# KiCad board dilemma.kicad_pcb
title: dilemma; rev: 2; company: bastardkb
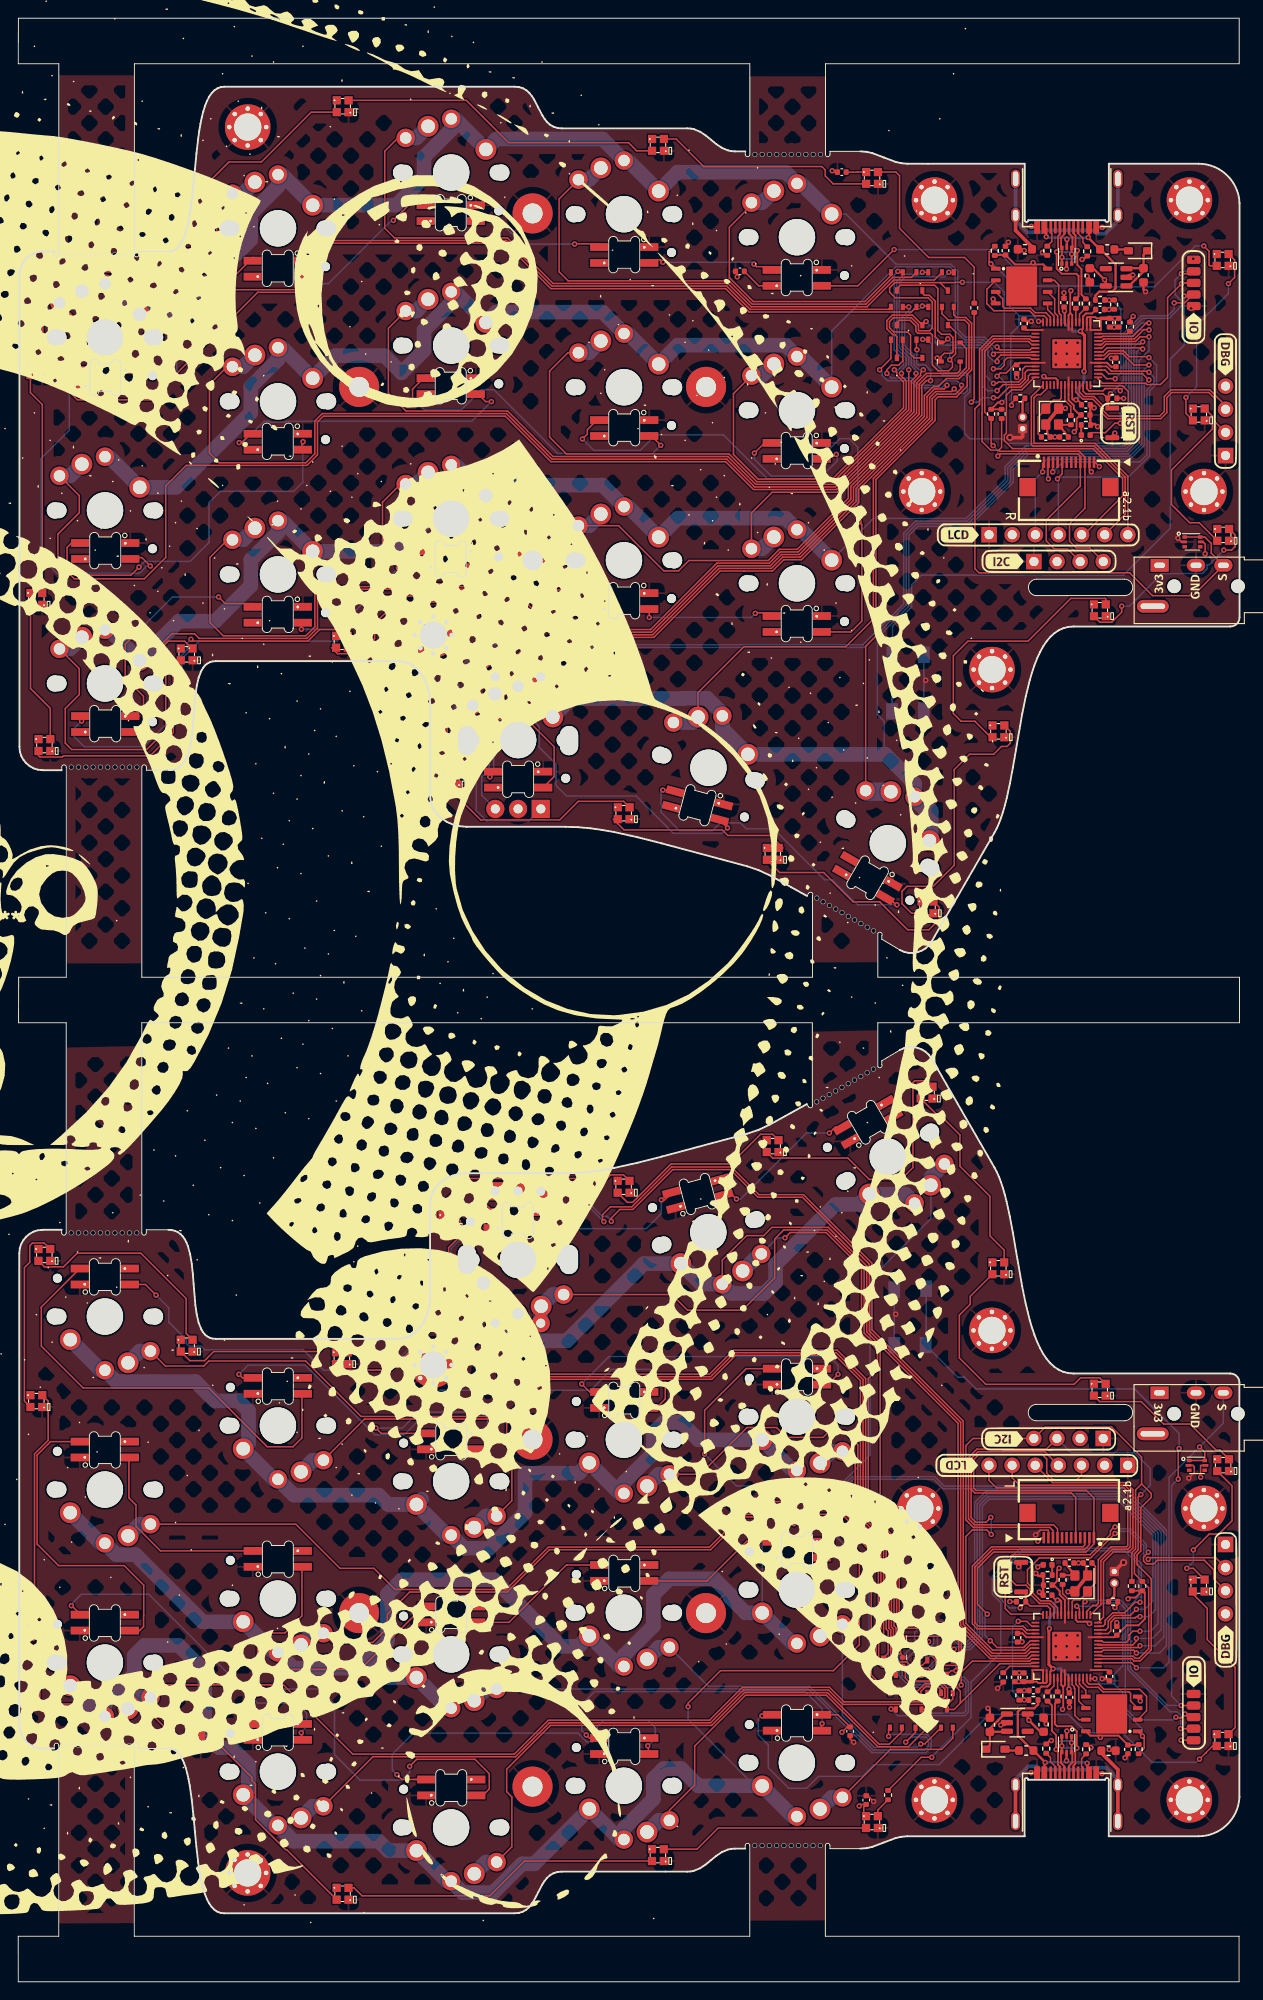
[diagram p0: board, top side]
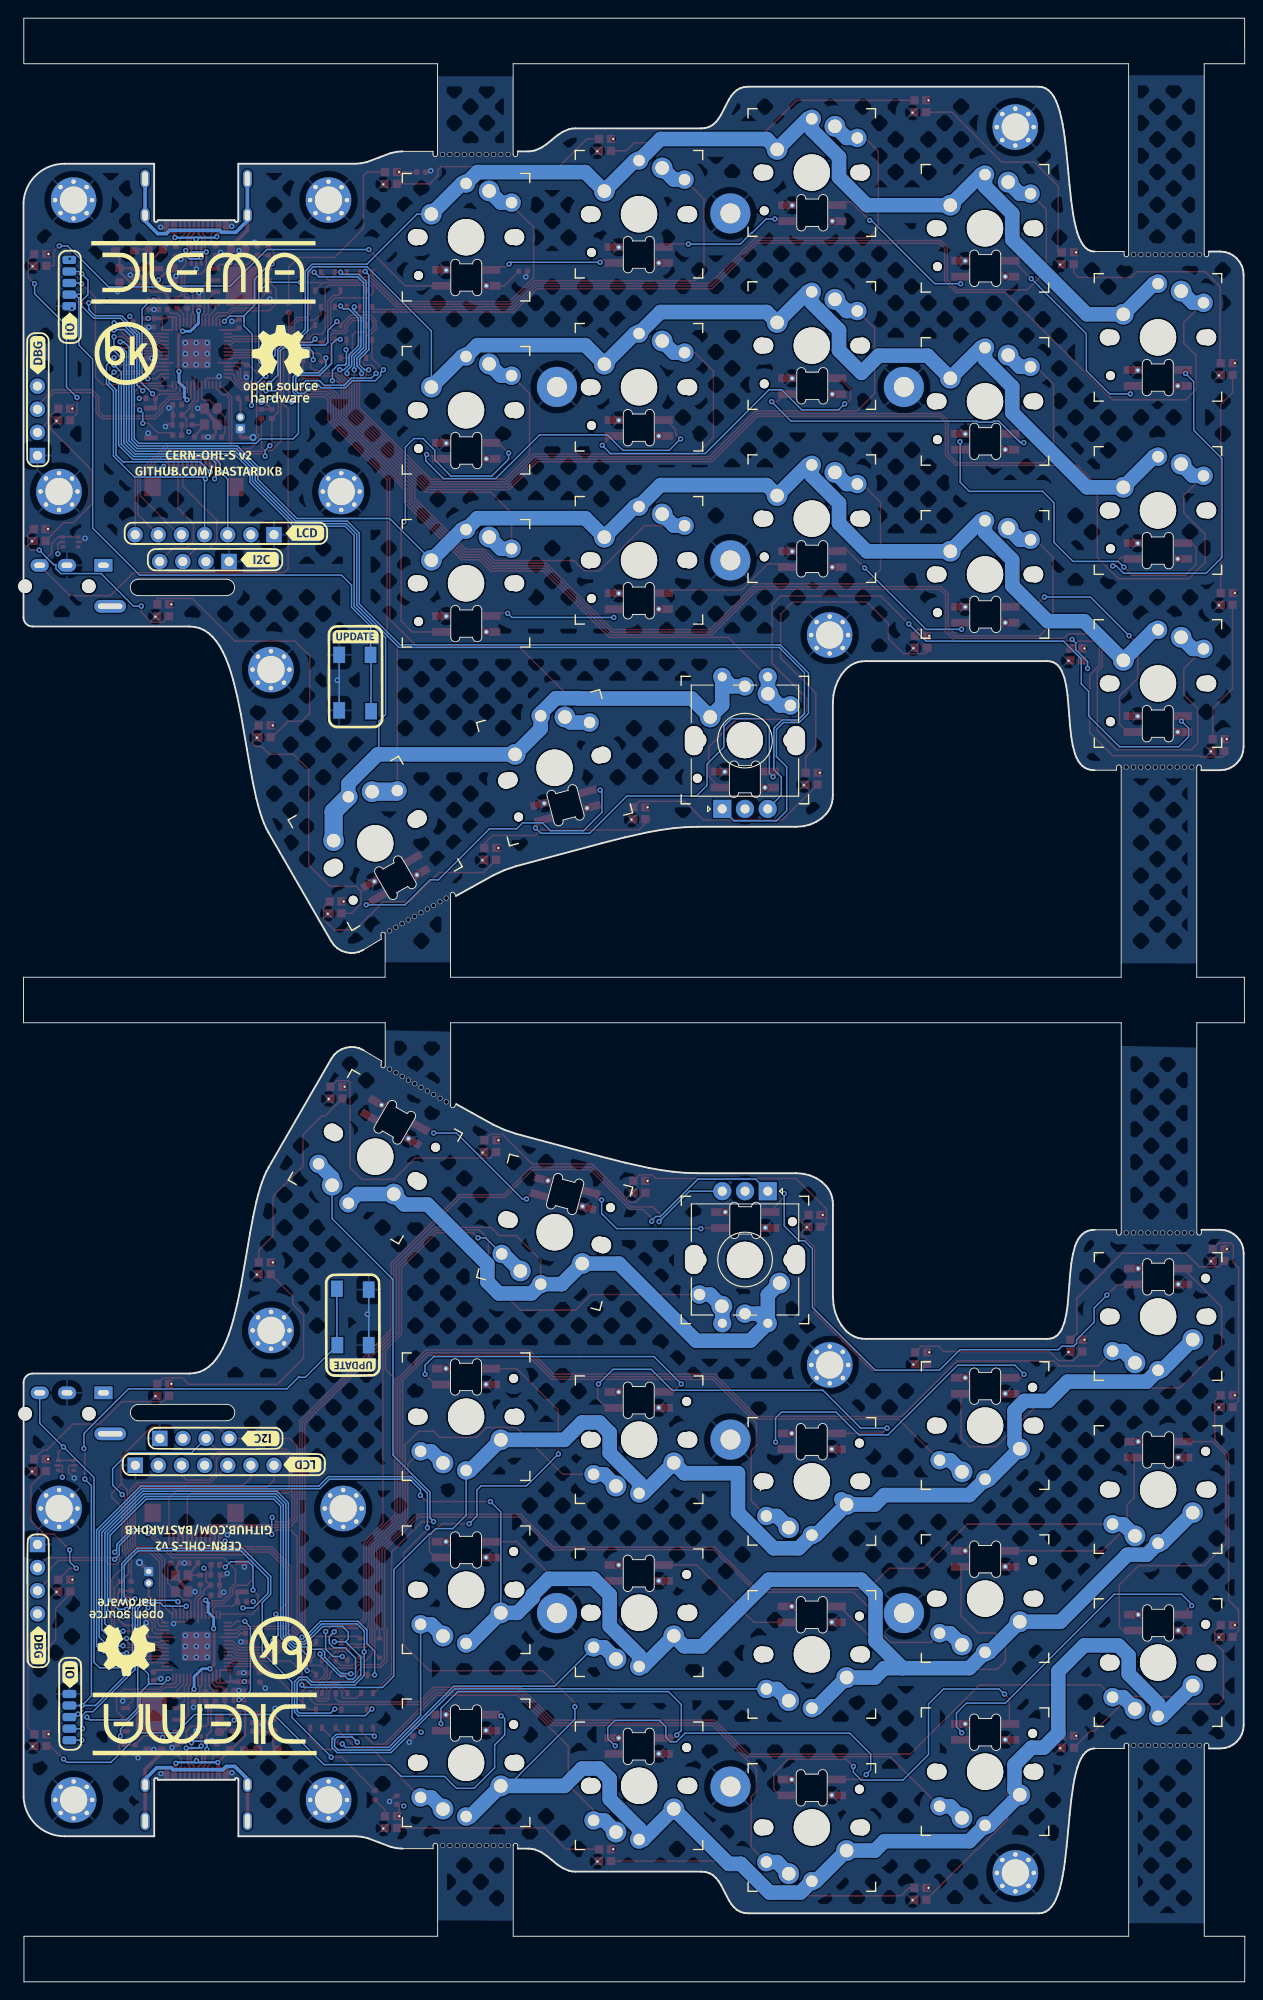
[diagram p1: board, bottom side, seen from below]

Outline 134.14 x 215.6 mm; copper layers: Top, In1.Cu, In2.Cu, Bottom. Coordinates in mm from the lower left corner of the outline.
Outline path: circle c5,25.95 r0.25 ; circle c5.01,189.64 r0.25 ; circle c5.8,25.95 r0.25 ; circle c5.81,189.64 r0.25 ; circle c5.82,82.23 r0.25 ; circle c5.83,133.37 r0.25 ; circle c6.6,25.95 r0.25 ; circle c6.61,189.64 r0.25 ; circle c6.62,82.23 r0.25 ; circle c6.63,133.37 r0.25 ; circle c7.4,25.95 r0.25 ; circle c7.41,189.64 r0.25 ; circle c7.42,82.23 r0.25 ; circle c7.43,133.37 r0.25 ; circle c8.2,25.95 r0.25 ; circle c8.21,189.64 r0.25 ; circle c8.22,82.23 r0.25 ; circle c8.23,133.37 r0.25 ; circle c9,25.95 r0.25 ; circle c9.01,189.64 r0.25 ; circle c9.02,82.23 r0.25 ; circle c9.03,133.37 r0.25 ; circle c9.8,25.95 r0.25 ; circle c9.81,189.64 r0.25 ; circle c9.82,82.23 r0.25 ; circle c9.83,133.37 r0.25 ; circle c10.6,25.95 r0.25 ; circle c10.61,189.64 r0.25 ; circle c10.62,82.23 r0.25 ; circle c10.63,133.37 r0.25 ; circle c11.4,25.95 r0.25 ; circle c11.41,189.64 r0.25 ; circle c11.42,82.23 r0.25 ; circle c11.43,133.37 r0.25 ; circle c12.2,25.95 r0.25 ; circle c12.21,189.64 r0.25 ; circle c12.22,82.23 r0.25 ; circle c12.23,133.37 r0.25 ; circle c13.02,82.23 r0.25 ; circle c13.03,133.37 r0.25 ; circle c80.9,14.95 r0.25 ; circle c80.91,200.64 r0.25 ; circle c81.7,14.95 r0.25 ; circle c81.71,200.64 r0.25 ; circle c82.5,14.95 r0.25 ; circle c82.51,200.64 r0.25 ; circle c83.3,14.95 r0.25 ; circle c83.31,200.64 r0.25 ; circle c84.1,14.95 r0.25 ; circle c84.11,200.64 r0.25 ; circle c84.9,14.95 r0.25 ; circle c84.91,200.64 r0.25 ; circle c85.7,14.95 r0.25 ; circle c85.71,200.64 r0.25 ; circle c86.5,14.95 r0.25 ; circle c86.51,200.64 r0.25 ; circle c87.3,14.95 r0.25 ; circle c87.31,200.64 r0.25 ; circle c87.7,96.61 r0.25 ; circle c87.71,118.99 r0.25 ; circle c88.1,14.95 r0.25 ; circle c88.11,200.64 r0.25 ; circle c88.39,97.01 r0.25 ; circle c88.4,118.59 r0.25 ; circle c89.08,97.41 r0.25 ; circle c89.09,118.19 r0.25 ; circle c89.78,97.81 r0.25 ; circle c89.79,117.79 r0.25 ; circle c90.47,98.21 r0.25 ; circle c90.48,117.39 r0.25 ; circle c91.16,98.61 r0.25 ; circle c91.17,116.99 r0.25 ; circle c91.86,99.01 r0.25 ; circle c91.87,116.59 r0.25 ; circle c92.55,99.41 r0.25 ; circle c92.56,116.19 r0.25 ; circle c93.24,99.81 r0.25 ; circle c93.25,115.79 r0.25 ; circle c93.93,100.21 r0.25 ; circle c93.94,115.39 r0.25 ; 0,5 4.45,5 4.45,25.95 arc(4.2,26.2) 3.95,25.95 3.95,25.62 2.69,25.62 2.16,25.67 1.68,25.82 1.25,26.06 0.88,26.37 0.56,26.75 0.33,27.18 0.17,27.66 0.12,28.19 0.12,79.99 0.17,80.53 0.33,81.01 0.56,81.44 0.88,81.81 1.25,82.12 1.68,82.36 2.16,82.51 2.69,82.57 4.77,82.57 4.77,82.23 arc(5.02,81.98) 5.27,82.23 5.27,105.3 0.04,105.3 0.05,110.3 5.28,110.3 5.28,133.37 arc(5.03,133.62) 4.78,133.37 4.78,133.03 2.7,133.03 2.17,133.08 1.69,133.24 1.26,133.48 0.89,133.79 0.57,134.16 0.34,134.59 0.18,135.07 0.13,135.61 0.13,187.41 0.18,187.94 0.34,188.42 0.57,188.85 0.89,189.22 1.26,189.54 1.69,189.78 2.17,189.93 2.7,189.98 3.96,189.98 3.96,189.64 arc(4.21,189.39) 4.46,189.64 4.46,210.6 0.01,210.6 0.02,215.6 134.1,215.6 134.1,210.6 88.66,210.6 88.66,200.64 arc(88.91,200.39) 89.16,200.64 89.16,200.98 92.5,200.98 93.18,200.93 93.83,200.78 96.36,199.82 97.02,199.67 97.69,199.62 110.55,199.62 110.55,193.42 arc(110.75,193.22) 110.95,193.42 119.39,193.42 arc(119.59,193.22) 119.79,193.42 119.79,199.62 129.64,199.62 arc(132.76,198.37) 134.14,195.31 134.14,149.81 arc(133.85,149.1) 133.14,148.81 115.94,148.81 115.35,148.76 114.8,148.63 114.29,148.4 113.81,148.08 113.37,147.68 112.96,147.2 112.58,146.64 112.24,146.01 111.92,145.32 111.62,144.57 111.35,143.77 111.1,142.92 110.66,141.11 110.27,139.2 109.59,135.29 109.26,133.39 108.93,131.59 108.57,129.94 108.37,129.18 108.17,128.47 107.95,127.81 107.73,127.21 107.49,126.67 107.24,126.19 100.34,114.24 100.02,113.81 99.65,113.47 99.23,113.21 98.77,113.05 98.29,112.96 97.8,112.97 97.31,113.08 96.82,113.3 94.85,114.48 94.85,114.86 arc(94.76,115.21) 94.42,115.11 94.42,110.3 134.14,110.3 134.13,105.3 94.41,105.3 94.41,100.48 arc(94.75,100.39) 94.84,100.73 94.84,101.12 96.81,102.3 97.3,102.52 97.79,102.63 98.28,102.64 98.76,102.55 99.22,102.38 99.64,102.13 100.01,101.79 100.33,101.36 107.23,89.4 107.48,88.93 107.72,88.39 107.94,87.79 108.16,87.13 108.36,86.42 108.56,85.66 108.92,84.01 109.25,82.21 109.58,80.31 110.26,76.4 110.65,74.49 111.09,72.68 111.34,71.83 111.61,71.03 111.91,70.28 112.23,69.59 112.57,68.96 112.95,68.4 113.36,67.92 113.8,67.52 114.28,67.2 114.79,66.97 115.34,66.83 115.93,66.79 133.13,66.79 arc(133.84,66.49) 134.13,65.79 134.13,20.29 arc(132.75,17.23) 129.63,15.98 119.78,15.98 119.78,22.18 arc(119.58,22.38) 119.38,22.18 110.94,22.18 arc(110.74,22.38) 110.54,22.18 110.54,15.98 97.68,15.98 97.01,15.92 96.35,15.77 93.82,14.82 93.17,14.67 92.49,14.62 89.15,14.62 89.15,14.95 arc(88.9,15.2) 88.65,14.95 88.65,5 134.09,5 134.09,0 0.01,0 0,5 ; 12.75,25.95 arc(13,26.2) 13.25,25.95 13.25,25.62 16.49,25.62 16.85,25.57 17.18,25.44 17.48,25.22 17.74,24.91 17.98,24.52 18.2,24.06 18.39,23.52 18.56,22.92 18.71,22.26 18.84,21.55 19.06,19.99 19.24,18.31 19.4,16.57 19.57,14.83 19.76,13.15 19.88,12.35 20.01,11.59 20.15,10.88 20.32,10.22 20.51,9.61 20.72,9.08 20.96,8.61 21.23,8.23 21.53,7.92 21.87,7.7 22.23,7.56 22.63,7.52 54.52,7.52 55.01,7.56 55.43,7.7 55.8,7.91 56.13,8.2 56.41,8.55 56.66,8.94 57.56,10.67 57.81,11.06 58.09,11.41 58.41,11.7 58.78,11.91 59.21,12.05 59.69,12.09 73.49,12.09 73.87,12.12 74.23,12.19 74.9,12.47 75.51,12.88 76.68,13.83 77.29,14.24 77.96,14.52 78.32,14.59 78.69,14.62 79.85,14.62 79.85,14.95 arc(80.1,15.2) 80.35,14.95 80.35,5 12.75,5 12.75,25.95 ; 12.76,189.64 12.76,210.6 80.36,210.6 80.36,200.64 arc(80.11,200.39) 79.86,200.64 79.86,200.98 78.7,200.98 78.33,201.01 77.97,201.08 77.3,201.36 76.69,201.77 75.52,202.72 74.91,203.13 74.24,203.41 73.88,203.48 73.5,203.51 59.7,203.51 59.22,203.55 58.79,203.69 58.42,203.9 58.1,204.19 57.82,204.54 57.57,204.93 56.67,206.66 56.42,207.05 56.14,207.4 55.81,207.69 55.44,207.9 55.02,208.04 54.53,208.08 22.64,208.08 22.24,208.04 21.88,207.9 21.54,207.68 21.24,207.37 20.97,206.98 20.73,206.52 20.52,205.98 20.33,205.38 20.16,204.72 20.02,204.01 19.89,203.25 19.77,202.45 19.58,200.77 19.41,199.03 19.25,197.29 19.07,195.61 18.85,194.05 18.72,193.34 18.57,192.68 18.4,192.08 18.21,191.54 17.99,191.08 17.75,190.69 17.49,190.38 17.19,190.16 16.86,190.03 16.5,189.98 13.26,189.98 13.26,189.64 arc(13.01,189.39) 12.76,189.64 ; 13.57,105.3 13.57,82.23 arc(13.82,81.98) 14.07,82.23 14.07,82.57 16.49,82.57 16.88,82.54 17.23,82.45 17.55,82.3 17.83,82.1 18.07,81.84 18.29,81.53 18.48,81.18 18.64,80.78 18.89,79.87 19.06,78.84 19.18,77.73 19.27,76.58 19.46,74.32 19.61,73.29 19.82,72.38 20.12,71.63 20.3,71.32 20.52,71.06 20.77,70.86 21.04,70.71 21.35,70.62 21.69,70.59 41.63,70.59 42.07,70.62 42.47,70.7 42.85,70.83 43.19,71 43.51,71.22 43.8,71.47 44.29,72.07 44.69,72.77 44.99,73.53 45.17,74.33 45.23,75.16 45.23,85.31 45.26,85.73 45.32,86.11 45.43,86.46 45.58,86.79 45.76,87.09 45.97,87.37 46.48,87.85 47.07,88.24 47.74,88.54 48.47,88.72 49.26,88.78 60.13,88.78 61.47,88.82 62.81,88.94 64.13,89.13 65.45,89.36 68.06,89.94 70.66,90.6 80.05,93.12 81.31,93.55 82.52,94.11 84.86,95.4 86.62,96.38 86.79,96.08 arc(87.13,95.99) 87.22,96.33 87.22,105.3 13.57,105.3 ; 13.58,133.37 13.58,110.3 87.23,110.3 87.23,119.26 arc(87.14,119.61) 86.8,119.51 86.63,119.22 84.87,120.2 82.53,121.49 81.32,122.05 80.06,122.48 70.67,125 68.07,125.66 65.46,126.24 64.14,126.47 62.82,126.66 61.48,126.77 60.14,126.82 49.27,126.82 48.48,126.88 47.75,127.06 47.08,127.35 46.49,127.75 45.98,128.23 45.77,128.51 45.59,128.81 45.44,129.14 45.33,129.49 45.27,129.87 45.24,130.28 45.24,140.44 45.18,141.27 45,142.07 44.7,142.83 44.3,143.52 43.81,144.12 43.52,144.38 43.2,144.59 42.86,144.77 42.48,144.9 42.08,144.98 41.64,145.01 21.7,145.01 21.36,144.98 21.05,144.89 20.78,144.74 20.53,144.54 20.31,144.28 20.13,143.97 19.83,143.22 19.62,142.31 19.47,141.28 19.28,139.02 19.19,137.87 19.07,136.75 18.9,135.73 18.65,134.82 18.49,134.42 18.3,134.06 18.08,133.76 17.84,133.5 17.56,133.3 17.24,133.15 16.89,133.06 16.5,133.03 14.08,133.03 14.08,133.37 arc(13.83,133.62) 13.58,133.37 ; 111.84,61.6 arc(110.94,62.5) 111.84,63.4 121.5,63.4 arc(122.4,62.5) 121.5,61.6 111.84,61.6 ; 111.86,154 121.51,154 arc(122.41,153.1) 121.51,152.2 111.86,152.2 arc(110.96,153.1) 111.86,154
Stack: Top 0.035mm / dielectric 1.11mm FR4 er 4.5 / In1.Cu 0.035mm / dielectric 1.51mm FR4 er 4.5 / In2.Cu 0.035mm / dielectric 1.51mm FR4 er 4.5 / Bottom 0.035mm

## Placement (name value [footprint] x y rotation side)
C1  1µ  [C_0603_1608Metric]  123.6 187.38 270 top
C2  1µ  [C_0603_1608Metric]  117.7 187.37 270 top
C3  15p  [C_0402_1005Metric]  112.86 169.62 0 top
C4  15p  [C_0402_1005Metric]  114.86 169.62 180 top
C5  1µ  [C_0402_1005Metric]  120.86 182.17 270 top
C6  1µ  [C_0402_1005Metric]  118.81 183.62 0 top
C7  100n  [C_0402_1005Metric]  114.86 184.37 90 top
C8  100n  [C_0402_1005Metric]  117.26 173.15 0 top
C9  100n  [C_0402_1005Metric]  109.66 177.07 270 top
C10  100n  [C_0402_1005Metric]  108.44 190.08 90 top
C11  100n  [C_0402_1005Metric]  119.86 182.17 270 top
C12  100n  [C_0402_1005Metric]  110.46 182.07 90 top
C13  100n  [C_0402_1005Metric]  120.56 177.82 90 top
C14  100n  [C_0402_1005Metric]  117.24 172.04 0 top
C5001  1µ  [C_0603_1608Metric]  106.72 28.22 90 top
C5002  1µ  [C_0603_1608Metric]  112.62 28.23 90 top
C5003  1µ  [C_0402_1005Metric]  109.46 33.43 90 top
C5004  1µ  [C_0402_1005Metric]  111.51 31.98 180 top
C5005  15p  [C_0402_1005Metric]  117.46 45.98 180 top
C5006  100n  [C_0402_1005Metric]  115.46 31.23 270 top
C5007  100n  [C_0402_1005Metric]  113.06 42.44 180 top
C5008  15p  [C_0402_1005Metric]  115.46 45.98 0 top
C5009  100n  [C_0402_1005Metric]  120.66 38.53 90 top
C5010  100n  [C_0402_1005Metric]  121.88 25.52 270 top
C5011  100n  [C_0402_1005Metric]  110.46 33.43 90 top
C5012  100n  [C_0402_1005Metric]  119.86 33.53 270 top
C5013  100n  [C_0402_1005Metric]  109.76 37.78 270 top
C5014  100n  [C_0402_1005Metric]  113.08 43.56 180 top
C5015  1µ  [C_0402_1005Metric]  90.46 198.7 180 top
C5016  1µ  [C_0402_1005Metric]  93.14 19.95 90 top
C5017  1µ  [C_0402_1005Metric]  79.27 187.8 180 top
C5018  1µ  [C_0402_1005Metric]  91.37 27.5 270 top
D1  LED  [LED_0402_1005Metric]  117.26 169.82 0 top
D2  B5817  [D_SOD-323]  122.99 190.06 180 top
D3  SK6805-EC15  [LED_SK6805-EC15_1.5x1.5mm_P0.6mm_handsolder(1)]  93.78 198.06 180 top
D4  SK6805-EC15  [LED_SK6805-EC15_1.5x1.5mm_P0.6mm_handsolder(1)]  35.56 147.13 180 top
D5  SK6805-EC15  [LED_SK6805-EC15_1.5x1.5mm_P0.6mm_handsolder(1)]  132.29 189.06 180 top
D7  SK6805-EC15  [LED_SK6805-EC15_1.5x1.5mm_P0.6mm_handsolder(1)]  70.27 201.69 180 top
D8  SK6805-EC15  [LED_SK6805-EC15_1.5x1.5mm_P0.6mm_handsolder(1)]  47.57 132.1 180 top
D9  SK6805-EC15  [LED_SK6805-EC15_1.5x1.5mm_P0.6mm_handsolder(1)]  82.87 123.85 180 top
D11  SK6805-EC15  [LED_SK6805-EC15_1.5x1.5mm_P0.6mm_handsolder(1)]  35.64 205.93 180 top
D12  SK6805-EC15  [LED_SK6805-EC15_1.5x1.5mm_P0.6mm_handsolder(1)]  66.5 128.31 180 top
D15  SK6805-EC15  [LED_SK6805-EC15_1.5x1.5mm_P0.6mm_handsolder(1)]  19.43 189.24 180 top
D16  SK6805-EC15  [LED_SK6805-EC15_1.5x1.5mm_P0.6mm_handsolder(1)]  99.87 117.97 180 top
D18  SK6805-EC15  [LED_SK6805-EC15_1.5x1.5mm_P0.6mm_handsolder(1)]  1.99 177.08 180 top
D19  SK6805-EC15  [LED_SK6805-EC15_1.5x1.5mm_P0.6mm_handsolder(1)]  107.66 137.3 180 top
D21  SK6805-EC15  [LED_SK6805-EC15_1.5x1.5mm_P0.6mm_handsolder(1)]  1.99 151.84 180 top
D22  SK6805-EC15  [LED_SK6805-EC15_1.5x1.5mm_P0.6mm_handsolder(1)]  118.8 150.59 180 top
D24  SK6805-EC15  [LED_SK6805-EC15_1.5x1.5mm_P0.6mm_handsolder(1)]  2.88 135.79 180 top
D25  SK6805-EC15  [LED_SK6805-EC15_1.5x1.5mm_P0.6mm_handsolder(1)]  132.35 158.87 180 top
D27  SK6805-EC15  [LED_SK6805-EC15_1.5x1.5mm_P0.6mm_handsolder(1)]  18.51 145.75 180 top
D28  SK6805-EC15  [LED_SK6805-EC15_1.5x1.5mm_P0.6mm_handsolder(1)]  129.67 172.09 180 top
D30  D_CC  [SOT-323_SC-70]  99.31 182.9 270 top
D31  D_CC  [SOT-323_SC-70]  96.51 182.9 270 top
D32  D_CC  [SOT-323_SC-70]  102.11 186.7 270 top
D33  D_CC  [SOT-323_SC-70]  99.3 186.71 270 top
D34  D_CC  [SOT-323_SC-70]  96.51 186.7 270 top
D35  D_CC  [SOT-323_SC-70]  96.51 179.3 270 top
D36  D_CC  [SOT-323_SC-70]  102.11 182.9 270 top
D37  D_CC  [SOT-323_SC-70]  99.31 179.3 270 top
D112  D  [D_SOD-323#2]  102.41 180 0 top
D115  D  [D_SOD-323#2]  102.41 177.9 0 top
D5001  LED  [LED_0402_1005Metric]  113.06 45.78 180 top
D5002  D_CC  [SOT-323_SC-70]  99.2 32.7 90 top
D5003  D_CC  [SOT-323_SC-70]  102 36.3 90 top
D5004  B5817  [D_SOD-323]  107.33 25.54 0 top
D5005  D_CC  [SOT-323_SC-70]  102 32.7 90 top
D5006  D_CC  [SOT-323_SC-70]  96.4 32.7 90 top
D5007  D_CC  [SOT-323_SC-70]  96.4 28.9 90 top
D5008  D_CC  [SOT-323_SC-70]  99.2 36.3 90 top
D5009  D  [D_SOD-323#2]  96.1 35.6 180 top
D5010  D_CC  [SOT-323_SC-70]  99.2 28.89 90 top
D5011  D  [D_SOD-323#2]  96.1 37.7 180 top
D5012  D_CC  [SOT-323_SC-70]  102 28.9 90 top
D5013  SK6805-EC15  [LED_SK6805-EC15_1.5x1.5mm_P0.6mm_handsolder(1)]  93.77 17.54 180 top
D5014  SK6805-EC15  [LED_SK6805-EC15_1.5x1.5mm_P0.6mm_handsolder(1)]  35.55 68.47 180 top
D5015  SK6805-EC15  [LED_SK6805-EC15_1.5x1.5mm_P0.6mm_handsolder(1)]  132.28 26.54 180 top
D5016  SK6805-EC15  [LED_SK6805-EC15_1.5x1.5mm_P0.6mm_handsolder(1)]  70.26 13.91 180 top
D5017  SK6805-EC15  [LED_SK6805-EC15_1.5x1.5mm_P0.6mm_handsolder(1)]  47.26 83.55 180 top
D5018  SK6805-EC15  [LED_SK6805-EC15_1.5x1.5mm_P0.6mm_handsolder(1)]  35.63 9.67 180 top
D5019  SK6805-EC15  [LED_SK6805-EC15_1.5x1.5mm_P0.6mm_handsolder(1)]  66.49 87.29 180 top
D5020  SK6805-EC15  [LED_SK6805-EC15_1.5x1.5mm_P0.6mm_handsolder(1)]  19.42 26.36 180 top
D5021  SK6805-EC15  [LED_SK6805-EC15_1.5x1.5mm_P0.6mm_handsolder(1)]  82.86 91.75 180 top
D5022  SK6805-EC15  [LED_SK6805-EC15_1.5x1.5mm_P0.6mm_handsolder(1)]  1.99 38.52 180 top
D5023  SK6805-EC15  [LED_SK6805-EC15_1.5x1.5mm_P0.6mm_handsolder(1)]  99.77 97.63 180 top
D5024  SK6805-EC15  [LED_SK6805-EC15_1.5x1.5mm_P0.6mm_handsolder(1)]  1.99 63.76 180 top
D5025  SK6805-EC15  [LED_SK6805-EC15_1.5x1.5mm_P0.6mm_handsolder(1)]  107.64 78.34 180 top
D5026  SK6805-EC15  [LED_SK6805-EC15_1.5x1.5mm_P0.6mm_handsolder(1)]  2.87 79.81 180 top
D5027  SK6805-EC15  [LED_SK6805-EC15_1.5x1.5mm_P0.6mm_handsolder(1)]  118.79 65.01 180 top
D5028  SK6805-EC15  [LED_SK6805-EC15_1.5x1.5mm_P0.6mm_handsolder(1)]  18.5 69.85 180 top
D5029  SK6805-EC15  [LED_SK6805-EC15_1.5x1.5mm_P0.6mm_handsolder(1)]  132.34 56.73 180 top
D5030  SK6805-EC15  [LED_SK6805-EC15_1.5x1.5mm_P0.6mm_handsolder(1)]  129.66 43.51 180 top
D5031  SK6812MINI  [SK6812_mini_e_corners]  85.51 186.99 180 top
D5032  SK6812MINI  [SK6812_mini_e_corners]  66.56 170.5 180 top
D5033  SK6812MINI  [SK6812_mini_e_corners]  93.22 121.1 150 top
D5034  SK6812MINI  [SK6812_mini_e_corners]  66.56 189.5 180 top
D5035  SK6812MINI  [SK6812_mini_e_corners]  85.51 167.99 180 top
D5036  SK6812MINI  [SK6812_mini_e_corners]  47.51 194.1 180 top
D5037  SK6812MINI  [SK6812_mini_e_corners]  85.51 148.99 180 top
D5038  SK6812MINI  [SK6812_mini_e_corners]  28.51 188 180 top
D5039  SK6812MINI  [SK6812_mini_e_corners]  66.56 151.5 180 top
D5040  SK6812MINI  [SK6812_mini_e_corners]  9.56 176 180 top
D5041  SK6812MINI  [SK6812_mini_e_corners]  47.51 156.1 180 top
D5042  SK6812MINI  [SK6812_mini_e_corners]  9.56 157 180 top
D5043  SK6812MINI  [SK6812_mini_e_corners]  28.51 150 180 top
D5044  SK6812MINI  [SK6812_mini_e_corners]  28.51 169 180 top
D5045  SK6812MINI  [SK6812_mini_e_corners]  9.56 138 180 top
D5046  SK6812MINI  [SK6812_mini_e_corners]  47.51 175.1 180 top
D5047  SK6812MINI  [SK6812_mini_e_corners]  54.91 131.9 180 top
D5048  SK6812MINI  [SK6812_mini_e_corners]  74.57 129.05 165 top
D5049  SK6812MINI  [SK6812_mini_e_corners]  85.54 28.55 0 top
D5050  SK6812MINI  [SK6812_mini_e_corners]  66.56 44.99 0 top
D5051  SK6812MINI  [SK6812_mini_e_corners]  93.29 94.5 30 top
D5052  SK6812MINI  [SK6812_mini_e_corners]  66.56 25.99 0 top
D5053  SK6812MINI  [SK6812_mini_e_corners]  85.54 47.55 0 top
D5054  SK6812MINI  [SK6812_mini_e_corners]  47.56 21.44 0 top
D5055  SK6812MINI  [SK6812_mini_e_corners]  85.54 66.55 0 top
D5056  SK6812MINI  [SK6812_mini_e_corners]  28.51 27.54 0 top
D5057  SK6812MINI  [SK6812_mini_e_corners]  66.56 63.99 0 top
D5058  SK6812MINI  [SK6812_mini_e_corners]  9.51 39.54 0 top
D5059  SK6812MINI  [SK6812_mini_e_corners]  47.56 59.44 0 top
D5060  SK6812MINI  [SK6812_mini_e_corners]  9.51 58.54 0 top
D5061  SK6812MINI  [SK6812_mini_e_corners]  28.51 65.54 0 top
D5062  SK6812MINI  [SK6812_mini_e_corners]  28.51 46.54 0 top
D5063  SK6812MINI  [SK6812_mini_e_corners]  9.51 77.54 0 top
D5064  SK6812MINI  [SK6812_mini_e_corners]  47.56 40.44 0 top
D5065  SK6812MINI  [SK6812_mini_e_corners]  54.86 83.74 0 top
D5066  SK6812MINI  [SK6812_mini_e_corners]  74.61 86.63 15 top
F1  Polyfuse  [Fuse_0603_1608Metric]  119.61 190.21 0 top
F5001  Polyfuse  [Fuse_0603_1608Metric]  110.71 25.39 180 top
FB1  FerriteBead_Small  [L_0603_1608Metric]  110.57 190.23 0 top
FB5001  FerriteBead_Small  [L_0603_1608Metric]  119.75 25.37 180 top
G***  -  [LOGO]  -2.2 116.62 0 top
G***#2  -  [LOGO]  117.32 44.55 0 top
G***#3  -  [LOGO]  117.37 170.94 0 top
G***#4  -  [LOGO]  117.27 173.23 180 bottom
G***#5  -  [LOGO]  97.97 72.1 0 bottom
G***#6  -  [LOGO]  97.67 143.3 180 bottom
G***#7  -  [LOGO]  117.37 42.68 180 bottom
H101  NA_M4  [MountingHole_3mm_Pad_Via]  25.21 203.65 0 top
H102  NA_M4  [MountingHole_3mm_Pad_Via]  106.96 144.08 0 top
H104  NA_M4  [MountingHole_3mm_Pad_Via]  45.6 147.87 0 top
H105  NA_M4  [MountingHole_3mm_Pad_Via]  128.64 195.63 0 top
H106  NA_M4  [MountingHole_3mm_Pad_Via]  99.24 163.63 0 top
H107  NA_M4  [MountingHole_3mm_Pad_Via]  130.24 163.63 0 top
H108  NA_M4  [MountingHole_3mm_Pad_Via]  100.64 195.63 0 top
H111  NA_Mount  [Tenting_Puck]  56.5 175.12 0 top
H5001  NA_M4  [MountingHole_3mm_Pad_Via]  25.2 11.95 0 bottom
H5002  NA_M4  [MountingHole_3mm_Pad_Via]  106.95 71.52 0 bottom
H5003  NA_M4  [MountingHole_3mm_Pad_Via]  45.59 67.73 0 bottom
H5004  NA_M4  [MountingHole_3mm_Pad_Via]  128.63 19.97 0 bottom
H5005  NA_M4  [MountingHole_3mm_Pad_Via]  99.03 51.97 180 top
H5006  NA_M4  [MountingHole_3mm_Pad_Via]  130.23 51.97 0 bottom
H5007  NA_M4  [MountingHole_3mm_Pad_Via]  100.63 19.97 0 bottom
H5008  NA_Mount  [Tenting_Puck]  56.49 40.48 0 bottom
J1  USB_C_Receptacle_USB2.0  [USB_C_Receptacle_HRO_TYPE-C-31-M-13B]  115.16 200.07 180 top
J3  NA_GC9A01  [PinHeader_1x07_P2.54mm_Vertical]  106.63 158.89 90 top
J4  Conn_01x05  [PinHeader_1x05_P1.27mm_Vertical_SMD]  129.11 189.08 0 top
J5  NA_Conn_01x02  [PinHeader_1x02_P1.27mm_Vertical]  110.31 170.53 180 top
J102  NA_serial  [Jack_3.5mm_PJ320E_Horizontal]  125.37 155.53 270 top
J105  NA_Conn_01x04_Female  [PinHeader_1x04_P2.54mm_Vertical_debug]  132.61 175.2 0 top
J113  Cirque  [FPC-SMD_FPC05012-09200-.5mm]  115.41 165.48 0 top
J5001  USB_C_Receptacle_USB2.0  [USB_C_Receptacle_HRO_TYPE-C-31-M-13B]  115.16 15.53 0 top
J5002  NA_Conn_01x02  [PinHeader_1x02_P1.27mm_Vertical]  120.39 45.05 0 top
J5003  NA_serial  [Jack_3.5mm_PJ320E_Horizontal]  125.36 64.67 270 top
J5004  NA_GC9A01  [PinHeader_1x07_P2.54mm_Vertical]  121.86 56.71 270 top
J5005  NA_Conn_01x04_Female  [PinHeader_1x04_P2.54mm_Vertical_debug]  132.6 40.4 0 bottom
J5007  Cirque  [FPC-SMD_FPC05012-09200-.5mm]  115.4 50.12 180 top
J5008  Conn_01x05  [PinHeader_1x05_P1.27mm_Vertical_SMD]  129.1 26.52 180 top
J5009  Conn_01x05  [PinHeader_1x05_P1.27mm_Vertical_SMD]  129.1 26.52 0 bottom
J5010  Conn_01x05  [PinHeader_1x05_P1.27mm_Vertical_SMD]  129.11 189.06 180 bottom
O101  NA_OLED  [PinHeader_1x04_P2.54mm_Vertical]  111.56 155.94 90 top
O5001  NA_OLED  [PinHeader_1x04_P2.54mm_Vertical]  119.17 59.66 270 top
R1  1k  [R_0402_1005Metric]  117.26 170.94 180 top
R2  10k  [R_0402_1005Metric]  120.16 173.87 0 top
R3  1k  [R_0402_1005Metric]  110.06 173.87 180 top
R4  5.1k  [R_0402_1005Metric]  117.41 190 270 top
R5  5.1k  [R_0402_1005Metric]  113.03 190.07 270 top
R6  27  [R_0402_1005Metric]  116.16 184.27 270 top
R7  27  [R_0402_1005Metric]  117.26 184.27 270 top
R8  1k  [R_0402_1005Metric]  115.61 171.47 90 top
R9  10k  [R_0402_1005Metric]  107.26 190.06 270 top
R10  5.1k  [R_0402_1005Metric]  118.81 184.67 180 top
R11  10k  [R_0402_1005Metric]  120.36 184.16 90 top
R101  5.1k  [R_0402_1005Metric_nolabel]  122.11 181.72 90 top
R103  4.7k  [R_0402_1005Metric_nolabel]  108.01 172.15 90 top
R104  4.7k  [R_0402_1005Metric_nolabel]  106.86 172.15 270 top
R5001  1k  [R_0402_1005Metric]  113.06 44.66 0 top
R5002  10k  [R_0402_1005Metric]  110.16 41.73 180 top
R5003  1k  [R_0402_1005Metric]  120.26 41.73 0 top
R5004  5.1k  [R_0402_1005Metric]  117.29 25.53 90 top
R5005  5.1k  [R_0402_1005Metric]  112.91 25.6 90 top
R5006  27  [R_0402_1005Metric]  114.16 31.33 90 top
R5007  27  [R_0402_1005Metric]  113.06 31.33 90 top
R5008  1k  [R_0402_1005Metric]  114.71 44.13 270 top
R5009  5.1k  [R_0402_1005Metric]  111.51 30.93 0 top
R5010  10k  [R_0402_1005Metric]  109.96 31.44 270 top
R5011  10k  [R_0402_1005Metric]  123.06 25.54 90 top
R5012  5.1k  [R_0402_1005Metric_nolabel]  108.19 33.43 270 top
R5013  4.7k  [R_0402_1005Metric_nolabel]  122.31 43.45 270 top
R5014  4.7k  [R_0402_1005Metric_nolabel]  123.46 43.45 90 top
R5015  330  [R_0402_1005Metric]  95.54 20.5 270 top
R5016  330  [R_0402_1005Metric]  105.01 183.8 90 top
SW1  SW_Push  [SW_SPST_CK_KXT3]  120.16 171.17 90 top
SW101  NA_SW_Push  [SW_MX_choc]  9.53 180.55 180 bottom
SW102  NA_SW_Push  [SW_MX_choc]  9.53 161.55 180 bottom
SW103  NA_SW_Push  [SW_MX_choc]  9.53 142.55 180 bottom
SW104  NA_SW_Push  [SW_MX_choc]  28.53 192.53 180 bottom
SW105  NA_SW_Push  [SW_MX_choc]  28.53 173.53 180 bottom
SW106  NA_SW_Push  [SW_MX_choc]  28.53 154.53 180 bottom
SW107  NA_SW_Push  [SW_MX_choc]  47.56 198.65 180 bottom
SW108  NA_SW_Push  [SW_MX_choc]  47.56 179.65 180 bottom
SW109  NA_SW_Push  [SW_MX_choc]  47.56 160.65 180 bottom
SW112  NA_SW_Push  [SW_MX_choc]  66.53 194.08 180 bottom
SW113  NA_SW_Push  [SW_MX_choc]  66.53 175.08 180 bottom
SW114  NA_SW_Push  [SW_MX_choc]  66.53 156.08 180 bottom
SW115  NA_SW_Push  [SW_MX_choc]  85.53 191.55 180 bottom
SW116  NA_SW_Push  [SW_MX_choc]  85.53 172.55 180 bottom
SW117  NA_SW_Push  [SW_MX_choc]  85.53 153.55 180 bottom
SW118  NA_SW_Push  [SW_MX_choc]  75.81 133.3 165 bottom
SW119  NA_SW_Push  [SW_MX_choc]  95.51 125 150 bottom
SW3001  NA_SW_Push  [SW_MX_choc]  54.91 136.34 180 bottom
SW3002  NA_RotaryEncoder_Switch  [RotaryEncoder_Alps_EC11E-Switch_Vertical_H20mm_roundholes]  57.4 128.78 90 bottom
SW5001  SW_Push  [SW_SPST_CK_KXT3]  110.16 44.43 270 top
SW5002  NA_SW_Push  [SW_MX_choc]  9.52 35.05 0 bottom
SW5003  NA_SW_Push  [SW_MX_choc]  9.52 54.05 0 bottom
SW5004  NA_SW_Push  [SW_MX_choc]  9.52 73.05 0 bottom
SW5005  NA_SW_Push  [SW_MX_choc]  75.8 82.3 15 bottom
SW5006  NA_SW_Push  [SW_MX_choc]  28.52 23.07 0 bottom
SW5007  NA_SW_Push  [SW_MX_choc]  28.52 42.07 0 bottom
SW5008  NA_SW_Push  [SW_MX_choc]  28.52 61.07 0 bottom
SW5009  NA_SW_Push  [SW_MX_choc]  95.5 90.6 30 bottom
SW5010  NA_SW_Push  [SW_MX_choc]  47.55 16.95 0 bottom
SW5011  NA_SW_Push  [SW_MX_choc]  47.55 35.95 0 bottom
SW5012  NA_SW_Push  [SW_MX_choc]  47.55 54.95 0 bottom
SW5013  NA_SW_Push  [SW_MX_choc]  54.9 79.26 0 bottom
SW5014  NA_SW_Push  [SW_MX_choc]  66.52 21.52 0 bottom
SW5015  NA_SW_Push  [SW_MX_choc]  66.52 40.52 0 bottom
SW5016  NA_SW_Push  [SW_MX_choc]  66.52 59.52 0 bottom
SW5017  NA_SW_Push  [SW_MX_choc]  85.52 24.05 0 bottom
SW5018  NA_SW_Push  [SW_MX_choc]  85.52 43.05 0 bottom
SW5019  NA_SW_Push  [SW_MX_choc]  85.52 62.05 0 bottom
SW5020  NA_RotaryEncoder_Switch  [RotaryEncoder_Alps_EC11E-Switch_Vertical_H20mm_roundholes]  52.39 86.81 270 bottom
SW5021  SW_SPST  [PushSwitch]  97.92 73 90 bottom
SW5022  SW_SPST  [PushSwitch]  97.77 142.6 270 bottom
U1  RP2040  [QFN-56-1EP_7x7mm_P0.4mm_EP3.2x3.2mm]  115.16 178.77 0 top
U2  W25Q128JVS  [W25Q128JVPIQ]  110.22 186.19 0 top
U3  XC6210B332MR-G  [SOT-23-5]  120.59 187.15 180 top
U4  USBLC6-2P6  [SOT-666]  115.17 189.52 90 top
U5001  XC6210B332MR-G  [SOT-23-5]  109.73 28.45 0 top
U5002  RP2040  [QFN-56-1EP_7x7mm_P0.4mm_EP3.2x3.2mm]  115.16 36.83 180 top
U5003  USBLC6-2P6  [SOT-666]  115.15 26.08 270 top
U5004  W25Q128JVS  [W25Q128JVPIQ]  120.1 29.41 180 top
U5005  USBLC6-2P6  [SOT-666]  128.97 158.1 0 top
U5006  USBLC6-2P6  [SOT-666]  129.47 56.7 0 top
Y1  Crystal_GND24  [Crystal_SMD_2520-4Pin_2.5x2.0mm]  113.56 171.87 270 top
Y5001  Crystal_GND24  [Crystal_SMD_2520-4Pin_2.5x2.0mm]  116.76 43.73 90 top

## Library data of the parts
C1 C2 C5001 C5002 = -: Description: Unpolarized capacitor; LCSC: C19666
C3 C4 C5005 C5008 = -: Description: Unpolarized capacitor; LCSC: C1548
C5 C6 C5003 C5004 C5015-C5018 = -: Description: Unpolarized capacitor; LCSC: C52923
C7-C14 C5006 C5007 C5009-C5014 = -: Description: Unpolarized capacitor; LCSC: C1525
D1 D5001 = -: Description: Light emitting diode; LCSC: C130719
D2 D5004 = -: Description: Schottky diode; LCSC: C123899
D3-D5 D7-D9 D11 D12 D15 D16 D18 D19 D21 D22 D24 D25 D27 D28 D5013-D5030 = -: LCSC: C2890035; MFN: Dongguan Opsco Optoelectronics
D30-D37 D5002 D5003 D5005-D5008 D5010 D5012 = -: Description: Dual diode, common cathode on pin 3
D112 D115 D5009 D5011 = -: Description: Diode
D5031-D5066 = -: Description: RGB LED with integrated controller
F1 F5001 = -: Description: Resettable fuse, polymeric positive temperature coefficient; LCSC: C69679
FB1 FB5001 = -: Description: Ferrite bead, small symbol; LCSC: C98288
H101 H102 H104-H108 H111 H5001-H5008 = -: Description: Mounting Hole with connection
J1 J5001 = -: Description: USB 2.0-only Type-C Receptacle connector; LCSC: C2848619
J4 J5008-J5010 = -: Description: Generic connector, single row, 01x05, script generated (kicad-library-utils/schlib/autogen/connector/)
J5 J5002 = -: Description: Generic connector, single row, 01x02, script generated (kicad-library-utils/schlib/autogen/connector/)
J102 J5003 = -: Description: Audio Jack, 4 Poles (TRRS)
J105 J5005 O101 O5001 = -: Description: Generic connector, single row, 01x04, script generated (kicad-library-utils/schlib/autogen/connector/)
J113 J5007 = -: Description: Generic connector, single row, 01x14, script generated (kicad-library-utils/schlib/autogen/connector/)
R1 R3 R8 R5001 R5003 R5008 R5015 R5016 = -: Description: Resistor; LCSC: C11702
R2 R9 R11 R5002 R5010 R5011 = -: Description: Resistor; LCSC: C25744
R4 R5 R10 R5004 R5005 R5009 = -: Description: Resistor; LCSC: C25905
R6 R7 R5006 R5007 = -: Description: Resistor; LCSC: C25100
R101 R5012 = -: Description: Resistor; JLCPCB BOM: 1; JLCPCB Part: C26033
R103 R104 R5013 R5014 = -: Description: Resistor; LCSC: C269746
SW1 SW5001 = -: Description: Push button switch, generic, two pins; LCSC: C319433; Field5: R
SW101-SW109 SW112-SW119 SW3001 SW5002-SW5019 = -: Description: Push button switch, generic, two pins
SW3002 SW5020 = -: Description: Rotary encoder, dual channel, incremental quadrate outputs, with switch
SW5021 SW5022 = -: Description: Single Pole Single Throw (SPST) switch
U1 U5002 = -: LCSC: C2040
U2 U5004 = -: Description: 128Mb Serial Flash Memory, Standard/Dual/Quad SPI, SOIC-8
U3 U5001 = -: Description: 300mA low dropout linear regulator, shutdown pin, 2.5V-6V input voltage, 3.3V fixed positive output, SOT-23-5; LCSC: C82942; LCSC2: C47719
U4 U5003 U5005 U5006 = -: Description: Very low capacitance ESD protection diode, 2 data-line, SOT-666
Y1 Y5001 = -: Description: Four pin crystal, GND on pins 2 and 4; LCSC: C2149204
